# KiCad board Soldermander.kicad_pcb (continued)
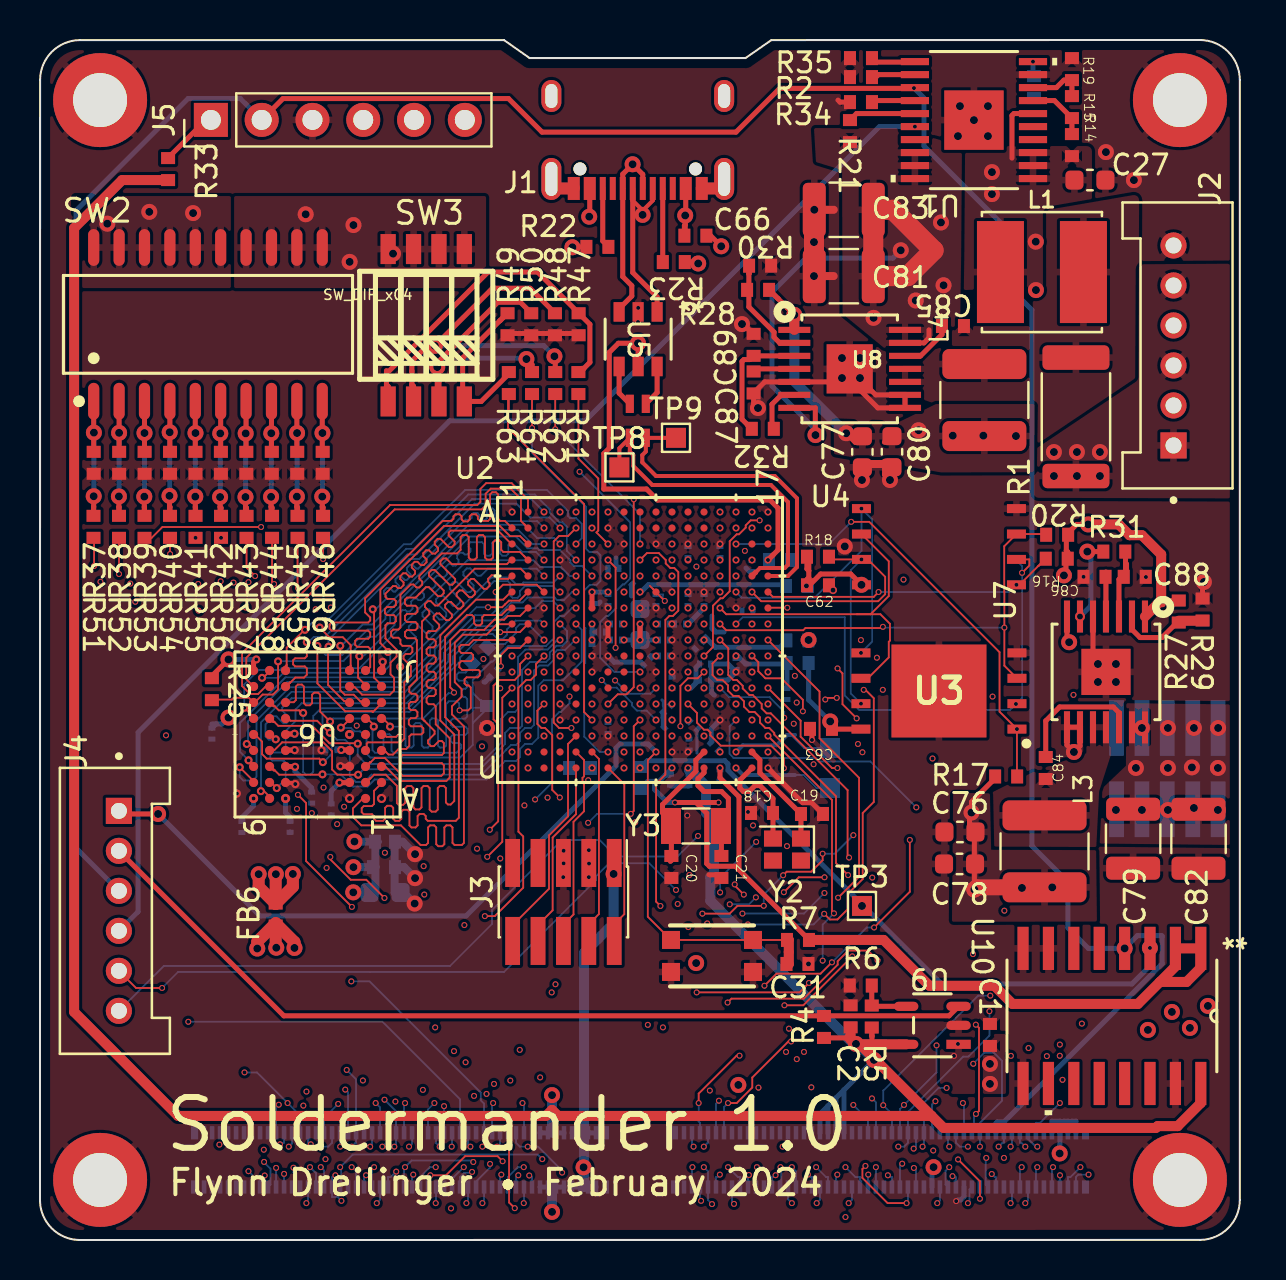
[diagram p0: board, top side]
## Routing (per net, layer and track width the routed paths; a pad name or vN(x,y) marks a point on that pad's centre or on a via; arc(x,y) is an arc through that point) (continued)
  In1.Cu w0.09: v1(27.6,35.6) 27.27,35.94 27.27,36.38 26.69,36.96 14.66,36.96 14.11,36.41 11.34,36.41 9.68,34.75 v1(9.68,32.88)
  In2.Cu w0.09: v1(9.68,32.88) 9.68,31.26 10,30.94 10,27.09 9.86,26.95 9.86,26.48 9.96,26.37 9.96,25.9 9.5,25.45 9.5,9.11 v1(10.23,8.38)
  Bottom w0.09: v1(10.23,8.38) 10.85,8.38 v1(12.38,6.85) 13.01,6.22 J7.76
GPIO_DISP_B2_13: length 51.7
  Top w0.09: v1(26.81,36.41) U2.A5
  In1.Cu w0.09: v1(10.43,32.9) 10.43,33.35 13.3,36.23 21.49,36.23 22.04,36.78 26.43,36.78 v1(26.81,36.41)
  In2.Cu w0.09: v1(10.43,32.9) 10.09,33.23 8.85,33.23 8.67,33.05 8.67,7.71 11.9,4.47 12.25,4.47 v1(12.44,4.67)
  Bottom w0.09: J7.78 12.61,4.83 v1(12.44,4.67)
GPIO_DISP_B2_14: length 42.8
  Top w0.09: v1(28.41,36.41) U2.A7
  In1.Cu w0.09: v1(28.41,36.41) 28.4,36.41 28.12,36.12 28.12,34.87 27.66,34.41 23.19,34.41 15.72,26.94 15,26.94 13.5,25.45 13.5,22.21 v1(12.85,21.56)
  In2.Cu w0.09: v1(12.85,21.56) 13.61,20.8 13.61,6.39 v1(12,4.79)
  Bottom w0.09: v1(12,4.79) 12.08,4.86 12.21,4.86 J7.80
GPIO_DISP_B2_15: length 45.1
  Top w0.09: v1(26.01,36.41) U2.A4
  In1.Cu w0.09: v1(26.01,36.41) 25.63,36.03 15.5,36.03 11.11,31.63 v1(10.29,31.63)
  In2.Cu w0.09: v1(10.29,31.63) 10.23,31.57 10.23,27.3 10.78,26.75 10.78,23.64 10.32,23.18 10.32,8.69 11.94,7.08 v1(11.94,6.77)
  Bottom w0.09: v1(11.94,6.77) 11.81,6.63 J7.82
GPIO_EMC_B1_40: length 32.1
  In1.Cu w0.09: v1(41.61,7.08) 37.65,11.04 37.47,11.04 32.89,15.62 32.89,15.84 32.33,16.4 31.86,16.4 31.6,16.67 31.6,17.01 27.87,20.74 27.87,21.06 25.64,23.29 25.64,27.68 25.2,28.12 25.09,28.12 24.92,28.29 24.92,28.41 24.52,28.81 24.01,28.81 v1(23.61,29.21)
  Bottom w0.09: J6.52 41.81,6.88 v1(41.61,7.08)
GPIO_EMC_B1_41: length 31.1
  In1.Cu w0.09: v1(23.61,28.41) 24.01,28.01 24.45,28.01 24.81,27.65 24.81,23.87 27.69,20.98 27.69,20.62 31.35,16.97 31.35,16.67 32.08,15.93 32.54,15.93 32.71,15.77 32.71,15.54 37.4,10.86 37.57,10.86 40.67,7.76 v1(40.67,6.75)
  Bottom w0.09: v1(40.67,6.75) 41.41,6.02 J6.54
GPIO_EMC_B2_00: length 30.9
  Top w0.09: v1(24.41,29.21) 24.01,28.81 24.01,28.27 23.74,28.01 22.97,28.01 22.68,27.72 22.68,26.04 22.91,25.81 22.91,20.94 v1(22.49,20.52)
  In1.Cu w0.09: v1(21.71,7.21) 21.82,7.09 21.82,4.56 21.22,3.95 21.09,3.95 19.79,2.65 v1(19.79,1.84)
  In2.Cu w0.09: v1(22.49,20.52) 22.49,19.79 21.77,19.07 21.77,7.27 v1(21.71,7.21)
  Bottom w0.09: v1(19.79,1.84) 19.81,1.86 J7.41
GPIO_EMC_B2_01: length 32.4
  Top w0.09: v1(23.13,3.94) 22.88,4.19 21.26,4.19 20.31,3.24 v1(19.52,3.24)
  In1.Cu w0.09: v1(23.13,3.94) 24.44,5.24 24.44,7.05 v1(23.52,7.97)
  In2.Cu w0.09: v1(24.76,22.03) 24.76,9.21 v1(23.52,7.97) ; v1(26.48,27.18) 26.48,28.73 v1(26.01,29.21)
  Bottom w0.09: v1(19.52,3.24) 19.43,3.15 19.41,3.15 J7.43 ; v1(26.48,27.18) 26.48,26.84 26.05,26.41 25.97,26.41 25.61,26.04 25.61,22.88 v1(24.76,22.03)
GPIO_EMC_B2_02: length 29.9
  Top w0.09: v1(22.25,16.2) 22.74,16.2 24.16,17.62 24.16,20.18 23.93,20.42 23.93,27.62 24.32,28.01 24.54,28.01 24.81,28.27 24.81,28.81 v1(25.21,29.21)
  In2.Cu w0.09: v1(19.79,3.64) 19.79,3.79 20.29,4.29 20.29,5.04 22.03,6.78 22.03,15.98 v1(22.25,16.2)
  Bottom w0.09: v1(19.79,3.64) 19.5,3.64 19.01,3.15 J7.45
GPIO_EMC_B2_03: length 24.7
  In2.Cu w0.09: v1(23.61,25.21) 20.42,22.02 20.42,9.33 20.51,9.23 20.51,6.27 18.67,4.42 v1(18.67,3.27)
  Bottom w0.09: v1(18.67,3.27) 18.61,3.21 J7.47
GPIO_EMC_B2_04: length 29.4
  Top w0.09: v1(22.37,19.16) 23.12,19.91 23.12,27.12 v1(23.61,27.61)
  In1.Cu w0.09: v1(22.33,7.31) 22.33,6.7 22.43,6.6 22.43,4.57 21.77,3.9 v1(21.67,3.9)
  In2.Cu w0.09: v1(22.33,7.31) 22.41,7.38 22.41,15.95 22.53,16.08 22.53,19 v1(22.37,19.16)
  Bottom w0.09: J7.49 18.21,3.59 v1(18.25,3.64) 18.59,3.98 21.59,3.98 v1(21.67,3.9)
GPIO_EMC_B2_05: length 29.2
  In2.Cu w0.09: v1(23.61,26.81) 24.01,26.4 24.01,26 24.29,25.72 24.4,25.72 24.75,25.37 24.75,24.34 24.42,24.01 24.33,24.01 23.94,23.62 23.94,23.48 20.9,20.44 20.9,12.57 20.99,12.48 20.99,7.49 20.74,7.24 20.74,6.16 19.2,4.63 19.2,3.36 18.8,2.96 18.27,2.96 v1(17.81,3.42)
  Bottom w0.09: v1(17.81,3.42) 17.54,3.15 17.41,3.15 J7.53
GPIO_EMC_B2_06: length 27.3
  In1.Cu w0.09: v1(23.02,19.08) 23.02,23.82 v1(23.61,24.41)
  In2.Cu w0.09: v1(16.84,1.84) 18.6,1.84 20.44,3.69 20.44,4.08 23.02,6.65 v1(23.02,19.08)
  Bottom w0.09: J7.55 17.01,2.01 v1(16.84,1.84)
GPIO_EMC_B2_07: length 30.2
  In2.Cu w0.09: v1(16.71,3.64) 16.81,3.75 16.81,4.95 18.56,6.7 18.56,16.24 18.2,16.6 18.2,17.05 18.51,17.36 18.8,17.36 19.47,18.03 19.47,23.88 22.7,27.11 23.24,27.11 23.41,27.27 24.87,27.27 v1(25.21,27.61)
  Bottom w0.09: J7.57 16.61,3.54 v1(16.71,3.64)
GPIO_EMC_B2_08: length 26.7
  In2.Cu w0.09: v1(23.61,26.01) 23.61,25.78 20.23,22.41 20.23,7.82 17.42,5.01 17.42,3.94 16.72,3.24 v1(16.31,3.24)
  Bottom w0.09: J7.59 16.21,3.15 16.22,3.15 v1(16.31,3.24)
GPIO_EMC_B2_09: length 37.1
  In1.Cu w0.09: v1(15.21,21.67) 13.43,21.67 13.26,21.49 13.26,21.22 14,20.48 18.69,20.48 23.09,24.87 23.75,24.87 24.07,25.19 24.07,26.47 v1(24.41,26.81)
  In2.Cu w0.09: v1(15.21,21.67) 16.29,20.58 16.29,8.24 16.44,8.1 16.44,7.86 16.29,7.71 16.29,4.92 15.59,4.22 v1(15.59,3.64)
  Bottom w0.09: v1(15.59,3.64) 15.81,3.42 J7.61
GPIO_EMC_B2_10: length 34.4
  In1.Cu w0.09: v1(24.41,25.21) 24.07,24.87 24.07,21.89 v1(24.22,21.73) ; v1(23.99,9.51) 24.11,9.51 26.17,7.45 26.17,5.1 v1(25.12,4.05)
  In2.Cu w0.09: v1(24.22,21.73) 24.22,9.74 v1(23.99,9.51)
  Bottom w0.09: J7.65 15.06,2.7 15.06,3.59 v1(15.01,3.64) 15.64,4.27 24.89,4.27 v1(25.12,4.05)
GPIO_EMC_B2_11: length 38.7
  In1.Cu w0.09: v1(21.28,8.89) 22.02,8.89 23.16,7.75 23.16,4.48 23.05,4.38 22.66,4.38 22.11,3.82 22.11,3.35 20.63,1.87 20.35,1.87 20,1.52 15.51,1.52 v1(15.07,1.96)
  In2.Cu w0.09: v1(21.28,8.89) 21.57,9.17 21.57,20.26 22.3,20.99 22.54,20.99 25.54,23.99 25.54,27.94 v1(26.01,28.41)
  Bottom w0.09: v1(14.77,3.24) 14.69,3.15 14.61,3.15 J7.67 14.61,2.15 14.88,2.15 v1(15.07,1.96)
GPIO_EMC_B2_12: length 31.8
  In1.Cu w0.09: v1(14.86,20.8) 18.63,20.8 23.28,25.45 23.28,26.16 23.41,26.29 23.54,26.29 23.98,26.73 23.98,27.18 v1(24.41,27.61)
  In2.Cu w0.09: v1(14.04,3.64) 14.31,3.64 14.62,3.96 14.62,18.85 14.86,19.09 v1(14.86,20.8)
  Bottom w0.09: v1(14.04,3.64) 14.21,3.48 J7.69
GPIO_EMC_B2_13: length 36
  In1.Cu w0.09: v1(13.59,21.35) 15.3,21.35 15.49,21.55 15.49,21.61 23.38,29.5 26.51,29.5 v1(26.81,29.21)
  In2.Cu w0.09: v1(13.59,21.35) 13.79,21.15 13.79,5.63 13.24,5.08 13.24,3.91 v1(13.5,3.64)
  Bottom w0.09: J7.71 13.81,3.34 v1(13.5,3.64)
GPIO_EMC_B2_14: length 62.5
  In1.Cu w0.09: v1(13.32,1.84) 11.62,1.84 10.11,3.36 10.11,7.3 13.27,10.47 13.27,15.2 6.02,22.46 6.02,25.36 6.18,25.53 6.42,25.53 8.85,23.1 8.85,22.84 10.72,20.96 11.01,20.96 13.46,18.51 13.46,18.36 15.57,16.24 18.94,16.24 21.86,19.16 v1(21.86,19.57)
  In2.Cu w0.09: v1(21.86,19.57) 21.86,20.29 22.37,20.8 22.61,20.8 25.72,23.91 25.72,27.32 v1(26.01,27.61)
  Bottom w0.09: v1(13.32,1.84) 13.41,1.93 J7.73
GPIO_EMC_B2_15: length 37
  In1.Cu w0.09: v1(19.19,18.7) 17.5,18.7 17.01,19.18 14.95,19.18 14.37,18.61 v1(14.33,18.61) ; v1(12.68,3.62) 13.01,3.62 13.28,3.35 14.15,3.35 14.37,3.57 14.37,3.94 v1(14.28,4.04)
  In2.Cu w0.09: v1(19.19,18.7) 18.56,18.7 18.21,19.04 18.21,22.92 22.59,27.3 23.18,27.3 23.32,27.44 23.32,27.72 23.49,27.89 23.89,27.89 v1(24.41,28.41) ; v1(14.33,18.61) 14.43,18.51 14.43,4.2 v1(14.28,4.04)
  Bottom w0.09: J7.77 12.72,2.76 12.72,3.34 12.68,3.38 v1(12.68,3.62)
GPIO_EMC_B2_16: length 38.1
  In1.Cu w0.09: v1(12.21,3.31) 12.56,2.95 19.65,2.95 21.13,4.43 21.13,6.43 20.69,6.88 20.69,8.74 21,9.05 21,9.66 20.02,10.63 v1(19.76,10.63)
  In2.Cu w0.09: v1(24.41,26.01) 24.7,26.3 24.7,26.91 24.52,27.09 23.49,27.09 23.08,26.69 22.59,26.69 19.76,23.86 v1(19.76,10.63)
  Bottom w0.09: v1(12.21,3.31) J7.79
GPIO_EMC_B2_18: length 42.6
  Top w0.09: v1(25.21,26.81) 24.87,26.47 24.87,25.81 25.07,25.61 25.26,25.61 25.62,25.25 25.62,22.51 v1(25.99,22.13)
  In1.Cu w0.09: v1(11.21,3.91) 11.21,3.79 12.86,2.14 14.49,2.14 15.38,1.25 22.9,1.25 26.35,4.7 26.35,11.62 v1(25.59,12.38)
  In2.Cu w0.09: v1(25.59,12.38) 25.49,12.48 25.49,21.63 v1(25.99,22.13)
  Bottom w0.09: v1(11.21,3.91) 11.21,3.89 11.53,3.57 11.53,2.77 J7.83
GPIO_LPSR_00: length 41.6
  In1.Cu w0.09: v1(27.61,26.81) 27.89,26.52 29.63,26.52 29.81,26.34 30.2,26.34 30.38,26.52 33.13,26.52 33.53,26.12 33.53,26.04 33.93,25.63 37.32,25.63 42.05,20.9 44.39,20.9 50.94,14.35 50.94,10.45 52.44,8.95 v1(52.44,3.27)
  Bottom w0.09: v1(52.44,3.27) 51.92,3.27 51.81,3.15 J6.1
GPIO_LPSR_01: length 37.1
  In1.Cu w0.09: v1(52.03,3.64) 52.03,6.49 42.35,16.17 40.88,16.17 40.38,16.67 40.38,17.4 39.35,18.43 39.32,18.43 34.34,23.41 34.34,23.82 34.22,23.94 33.81,23.94 33.75,24.01 31.54,24.01 31.27,24.27 31.27,24.42 30.79,24.9 27.91,24.9 v1(27.61,25.21)
  Bottom w0.09: v1(52.03,3.64) 51.54,3.15 51.41,3.15 J6.3
GPIO_LPSR_02: length 55.2
  Top w0.09: 27.41,26.21 27.21,26.41 27.21,36.81 23.41,40.61 23.41,41.43 ; 27.41,26.21 v1(27.61,26.01) 27.41,26.21 ; R63.2 23.45,41.47 23.41,41.43 ; v1(35.2,17.27) 34.74,17.73 v1(34.74,17.78) ; 23.41,41.43 23.41,42.26
  In1.Cu w0.09: v1(35.2,17.27) 35.2,17.16 35.2,17.16 36.04,16.32 36.04,14.52 39.87,10.7 41.68,10.7 46.68,5.7 47.35,5.7 48.24,4.81 48.24,4.14 v1(48.21,4.11) ; v1(34.74,17.78) 34.51,17.78 27.27,25.02 27.27,25.67 v1(27.61,26.01)
  In2.Cu w0.09: v1(48.21,4.11) 48.22,4.11 49.09,3.24 v1(51.01,3.24)
  Bottom w0.09: J6.5 51.01,3.24 v1(51.01,3.24)
GPIO_LPSR_03: length 56.8
  Top w0.09: v1(24.61,40.61) R64.2
  In1.Cu w0.09: v1(50.66,3.64) 51.09,3.64 51.54,4.1 51.54,6.72 46.96,11.3 45.49,11.3 40.2,16.6 40.2,17.24 39.63,17.81 36.99,17.81 31.09,23.71 31.09,23.8 30.84,24.04 30.76,24.04 30.52,24.29 30.52,24.41 30.23,24.69 28.69,24.69 v1(28.41,24.41)
  Bottom w0.09: v1(24.61,40.61) 24.61,39.37 27.31,36.67 27.31,34.58 27.48,34.41 27.87,34.41 28.03,34.25 28.03,32.96 27.84,32.77 27.5,32.77 27.22,32.49 27.22,30.65 27.27,30.6 27.27,28.86 27.22,28.8 27.22,25.18 27.99,24.41 v1(28.41,24.41) ; v1(50.66,3.64) 50.61,3.59 J6.7
GPIO_LPSR_04: length 61.3
  Top w0.09: v1(29.69,37.04) 29.69,37.04 29.69,27.64 29.34,27.29 28.89,27.29 v1(28.41,26.81)
  In1.Cu w0.09: v1(49.43,9.6) 49.55,9.6 v1(51.13,8.01)
  In2.Cu w0.09: v1(29.69,37.04) 36.18,37.04 39.52,33.7 42.97,33.7 50.09,26.58 50.09,10.25 v1(49.43,9.6) ; v1(49.87,3.64) 50.16,3.93 50.16,7.04 v1(51.13,8.01)
  Bottom w0.09: v1(49.87,3.64) 49.81,3.58 J6.11
GPIO_LPSR_05: length 46.6
  In1.Cu w0.09: v1(51,9.77) 46.66,14.12 v1(46.66,14.3) ; v1(41.13,24.39) 41.11,24.38 39.98,24.38 38.2,26.15 38.03,26.15 37.32,26.87 37.32,27.09 36.18,27.09 36.06,26.97 36.06,26.85 35.72,26.52 34.69,26.52 34.52,26.69 34.52,26.81 34.23,27.09 30.58,27.09 30.46,26.97 30.46,26.85 30.12,26.52 29.89,26.52 29.6,26.81 v1(29.21,26.81)
  In2.Cu w0.09: v1(51,9.77) 51.71,9.06 51.71,3.2 49.8,1.29 48.68,1.29 48.22,1.75 48.22,2.02 48.36,2.15 48.96,2.15 v1(49.27,1.84) ; v1(41.13,24.39) 41.13,19.83 v1(46.66,14.3)
  Bottom w0.09: v1(49.27,1.84) 49.41,1.98 J6.13
GPIO_LPSR_06: length 35.6
  In1.Cu w0.09: v1(29.21,26.01) 29.67,25.54 30.95,25.54 31.21,25.29 31.21,25.16 31.49,24.87 33.13,24.87 33.89,24.12 34.29,24.12 34.52,23.89 34.52,23.49 39.4,18.61 39.42,18.61 40.63,17.41 41.78,17.41 47.34,11.85 47.76,11.85 50.35,9.25 v1(50.35,9.2)
  In2.Cu w0.09: v1(50.35,9.2) 49.57,8.42 49.57,4.13 v1(49.09,3.64)
  Bottom w0.09: J6.15 49.01,3.56 v1(49.09,3.64)
GPIO_LPSR_07: length 42
  In1.Cu w0.09: v1(29.21,25.21) 28.86,25.55 28.86,26.07 29.12,26.33 29.41,26.33 29.72,26.01 29.72,25.89 29.89,25.72 30.12,25.72 30.45,26.04 30.45,26.11 30.66,26.33 32.54,26.33 32.87,26 32.87,25.91 33.11,25.67 33.2,25.67 33.67,25.2 33.67,25.11 33.91,24.87 34.01,24.87 34.41,24.48 34.41,24.36 34.76,24.01 35.06,24.01 41.29,17.77 42.4,17.77 50.96,9.21 v1(51,9.21)
  In2.Cu w0.09: v1(51,9.21) 51.53,8.68 51.53,3.28 49.76,1.51 48.87,1.51 v1(48.54,1.84)
  Bottom w0.09: v1(48.54,1.84) 48.61,1.91 J6.17
GPIO_LPSR_08: length 30.5
  In1.Cu w0.09: v1(29.21,23.61) 29.21,23.34 34.48,18.07 34.86,18.07 35.03,17.9 35.03,17.51 34.91,17.39 34.91,17.15 35.08,16.98 35.13,16.98 35.86,16.25 35.86,14.45 39.79,10.52 41.6,10.52 47.92,4.2 47.92,3.48 47.74,3.3 v1(47.6,3.3)
  Bottom w0.09: J6.21 47.81,3.15 47.75,3.15 v1(47.6,3.3)
GPIO_LPSR_09: length 33
  In1.Cu w0.09: v1(26.81,26.01) 26.86,25.95 26.86,24.95 35.19,16.61 35.24,16.61 35.68,16.17 35.68,14.33 39.67,10.34 41.13,10.34 42.29,9.18 42.29,8.97 44.79,6.47 45.02,6.47 46.7,4.78 46.7,4.57 47.16,4.11 v1(47.32,4.11)
  Bottom w0.09: J6.23 47.29,2.76 47.29,4.08 v1(47.32,4.11)
GPIO_SD_B1_00: length 38.2
  Top w0.09: v1(35.61,35.61) U2.B16
  In2.Cu w0.09: v1(35.61,35.61) 35.71,35.51 35.71,35.11 36.69,34.12 36.69,33.42 40.55,29.56 40.55,20.53 40.39,20.37 40.39,20.13 46.41,14.11 46.41,10.24 46.43,10.24 46.74,9.93 46.74,8.88 v1(46.67,8.81)
  Bottom w0.09: v1(46.67,8.81) 47.22,9.36 47.71,9.36 48.11,8.96 48.11,6.96 47.01,5.86 J6.26 47.01,4.67 v1(47,4.67)
GPIO_SD_B1_01: length 35.3
  Top w0.09: v1(46.8,10.77) 46.96,10.61 46.96,6.46 v1(46.81,6.31) ; v1(34.81,34.01) U2.D15
  In1.Cu w0.09: v1(34.81,34.01) 35.32,33.49 36.68,33.49 40.17,30 v1(41.05,30)
  In2.Cu w0.09: v1(46.8,10.77) 46.94,10.91 46.94,14.82 41.48,20.29 41.48,29.58 v1(41.05,30)
  Bottom w0.09: v1(46.81,6.31) 46.71,6.21 46.71,5.46 J6.28
GPIO_SD_B1_03: length 35.7
  Top w0.09: v1(36.41,35.61) U2.B17
  In2.Cu w0.09: v1(36.41,35.61) 36.41,35.11 43.21,28.3 43.21,19.89 47.86,15.24 47.86,10.82 46.96,9.92 46.96,7.65 v1(46.15,6.85)
  Bottom w0.09: J6.30 46.21,6.8 v1(46.15,6.85)
GPIO_SD_B1_04: length 37.5
  Top w0.09: v1(34.81,35.61) U2.B15
  In2.Cu w0.09: v1(46.4,4.67) 45.83,5.24 45.83,7.53 46.39,8.09 46.39,10.01 46.23,10.17 46.23,14.03 40.2,20.05 40.2,20.44 40.37,20.6 40.37,29.49 36.12,33.74 36.12,34.29 v1(34.81,35.61)
  Bottom w0.09: J6.32 45.81,4.86 46,4.67 v1(46.4,4.67)
GPIO_SD_B1_05: length 38
  Top w0.09: v1(35.61,36.41) U2.A16
  In2.Cu w0.09: v1(35.61,36.41) 35.32,36.12 34.89,36.12 34.47,35.7 34.47,35.52 34.89,35.09 35.03,35.09 35.89,34.23 35.89,33.7 40.17,29.42 40.17,20.67 40.02,20.52 40.02,17.41 40.2,17.24 40.2,14.86 40.59,14.47 40.74,14.47 40.9,14.3 40.9,13.01 45.05,8.86 45.05,7.36 45.11,7.31 45.11,5.03 v1(45.47,4.67)
  Bottom w0.09: v1(45.47,4.67) 45.41,4.73 J6.34
GPIO_SNVS_00: length 25.4
  In2.Cu w0.09: v1(24.47,3.23) 24.83,3.59 24.83,4.17 30.68,10.03 30.68,10.88 30.49,11.07 30.49,24.89 v1(30.81,25.21)
  Bottom w0.09: J7.17 24.61,3.15 24.54,3.15 v1(24.47,3.23)
GPIO_SNVS_01: length 32.8
  In1.Cu w0.09: v1(24.19,1.84) 24.19,1.86 26.54,4.21 26.54,12.03 v1(25.78,12.79)
  In2.Cu w0.09: v1(25.78,12.79) 26.76,13.78 26.76,25.33 27.32,25.88 27.32,27.23 v1(28.09,28)
  Bottom w0.09: v1(28.09,28) 28.47,27.62 28.84,27.62 29.61,26.86 29.61,26.73 29.86,26.47 30.34,26.47 v1(30.81,26.01) ; v1(24.19,1.84) 24.21,1.86 J7.19
GPIO_SNVS_02: length 90.8
  In1.Cu w0.09: v1(3.02,32.92) 3.32,33.21 3.32,37.39 4.35,38.42 v1(26.98,38.42) ; v1(20.56,1.58) 20.58,1.56 22.32,1.56 23.92,3.16 v1(23.92,3.24)
  In2.Cu w0.09: v1(20.56,1.58) 20.34,1.37 11.93,1.37 3.02,10.28 v1(3.02,32.92)
  Bottom w0.09: v1(23.92,3.24) 23.83,3.15 23.81,3.15 J7.21 ; v1(30.01,28.41) 28.73,28.41 28.02,29.11 28.02,30.91 28.33,31.22 28.43,31.22 28.82,31.61 28.82,32.47 29.14,32.78 29.21,32.78 29.51,33.08 29.51,35.89 v1(26.98,38.42)
GPIO_SNVS_03: length 32.3
  In1.Cu w0.09: v1(29.77,20.89) 29.52,20.89 v1(27.41,22.99)
  In2.Cu w0.09: v1(28.76,27.98) 28.08,27.3 28.08,23.66 27.41,23 v1(27.41,22.99) ; v1(29.77,20.89) 29.77,9.5 24.19,3.92 v1(24.19,3.64)
  Bottom w0.09: v1(28.76,27.98) 29.42,27.32 30.52,27.32 v1(30.81,27.61) ; v1(24.19,3.64) 23.9,3.64 23.41,3.15 J7.23
GPIO_SNVS_04: length 28.2
  In2.Cu w0.09: v1(30.81,26.81) 30.48,26.48 30,26.48 29.71,26.18 29.71,22.36 29.26,21.91 29.26,21 29.51,20.75 29.51,9.81 24.65,4.95 24.27,4.95 24.11,4.79 24.11,4.11 23.27,3.27 v1(23.07,3.27)
  Bottom w0.09: J7.25 23.01,3.21 v1(23.07,3.27)
GPIO_SNVS_05: length 29.5
  Top w0.09: v1(30.01,26.01) 29.69,25.69 29.69,21.46 v1(29.54,21.31)
  In1.Cu w0.09: v1(25.01,8.13) 25.01,4.87 23.48,3.33 23.48,3.2 v1(22.12,1.84)
  In2.Cu w0.09: v1(25.01,8.13) 27.74,10.86 27.74,20.53 v1(27.41,20.86)
  Bottom w0.09: v1(22.12,1.84) 22.21,1.93 J7.29 ; v1(27.41,20.86) 27.86,21.31 v1(29.54,21.31)
GPIO_SNVS_06: length 28.5
  In2.Cu w0.09: v1(22.51,3.81) 22.59,3.81 23.16,4.38 23.16,5.43 24.89,7.16 24.89,7.33 28.14,10.57 28.14,21.9 28.92,22.68 28.92,26.14 29.27,26.49 29.39,26.49 29.61,26.71 29.61,27.21 v1(30.01,27.61)
  Bottom w0.09: v1(22.51,3.81) 22.51,3.62 21.81,2.92 J7.31
GPIO_SNVS_07: length 30.6
  In1.Cu w0.09: v1(31.15,10.63) 30.52,10.63 v1(30.4,10.76)
  In2.Cu w0.09: v1(21.32,1.84) 21.84,2.37 24.31,2.37 31.15,9.21 v1(31.15,10.63) ; v1(30.4,10.76) 30.3,10.85 30.3,24.91 v1(30.01,25.21)
  Bottom w0.09: v1(21.32,1.84) 21.41,1.93 J7.33
GPIO_SNVS_08: length 29.3
  In2.Cu w0.09: v1(30.01,26.81) 29.49,26.29 29.49,22.4 29.01,21.91 29.01,18.91 29.22,18.69 29.22,9.82 24.53,5.13 24.13,5.13 23.74,4.74 23.74,4.14 23.2,3.61 22.71,3.61 22.51,3.41 v1(21.61,3.41)
  Bottom w0.09: J7.35 21.01,3.15 21.21,3.36 21.56,3.36 v1(21.61,3.41)
GPIO_SNVS_09: length 30.8
  In2.Cu w0.09: v1(21.19,3.64) 21.19,3.12 21.61,2.71 24.37,2.71 30.87,9.2 30.87,10.95 30.74,11.08 30.74,18.14 31.24,18.64 31.24,24.84 v1(31.61,25.21)
  Bottom w0.09: v1(21.19,3.64) 20.7,3.15 20.61,3.15 J7.37
JTAG_MOD: length 0
  Bottom w0.25: v1(27.61,23.61) R10.2
JTAG_TDI: length 9.4
  Top w0.09: J3.8 24.91,15.76 25.64,16.49 25.64,20.13 26.81,21.3 U2.U5
JTAG_TDO: length 10.1
  Top w0.09: J3.6 26.18,15.78 26.68,16.28 26.68,20.92 27.21,21.44 27.21,22.8 27.13,22.88 27.13,23.11 27.21,23.19 27.21,24.01 U2.T5
LPUART1_RX_BOOT: length 60.7
  In2.Cu w0.09: v1(34.41,3.64) 33.65,4.4 33.65,7.22 33.78,7.36 33.78,15.58 33.65,15.72 33.65,15.95 33.61,16 33.61,19.07 32.91,19.77 32.91,20.63 33.49,21.21 33.49,26.74 33.89,27.14 34.34,27.14 v1(34.81,27.61)
  Bottom w0.09: J4.6 6.19,13.71 20.51,13.71 22.61,15.81 22.61,16.51 26.11,20.01 27.98,20.01 28.8,19.18 31.88,19.18 v1(32.91,20.21) ; v1(34.41,3.64) 34.9,3.15 35.01,3.15 J6.85
LPUART1_TX_BOOT: length 43.3
  Top w0.09: v1(33.21,28.41) 32.89,28.09 32.41,28.09 32.03,27.71 v1(32.03,25.7) ; J4.5 4.8,12.61 v1(6.11,12.61)
  In2.Cu w0.09: v1(31.81,17.51) 31.81,21.32 32.12,21.64 32.12,25.6 v1(32.03,25.7)
  Bottom w0.09: v1(31.81,17.51) 30.47,18.84 28.46,18.84 27.81,18.18 27.81,18.01 23.21,13.41 6.91,13.41 v1(6.11,12.61)
ONOFF: length 29.6
  In1.Cu w0.09: v1(30.81,23.61) 36.54,17.87 36.54,17.62 37.06,17.11 37.31,17.11 40.25,14.16 40.25,13.81 47.12,6.95 47.17,6.95 47.27,6.85 v1(51,6.85)
  Bottom w0.09: J6.12 49.81,5.86 50.01,5.86 v1(51,6.85)
OTG1_D_N: length 17.4
  Top w0.2: TP8.1 28.98,39.6 L2.2 29.5,39.77 29.5,39.43 29.67,39.26 29.67,38.7 30.62,37.76 36.56,37.76 37.41,36.91 37.41,33.77 37.24,33.61 36.01,33.61 U2.E16
  Top w0.25: 35.79,33.39 U2.E16 ; 29.5,39.77 L2.2
OTG1_D_P: length 16.4
  Top w0.2: U2.E17 37.41,33.21 37.86,33.66 37.86,37.09 36.74,38.21 30.81,38.21 30.12,38.89 30.12,39.26 30.3,39.43 L2.3 TP9.1
P_GOOD: length 61.7
  Bottom w0.25: v1(43.75,55.68) 41.98,55.68 27.27,40.97 20.49,40.97 4.91,25.39 4.91,16.42 J4.4
PMIC_ON_REQ: length 45.7
  Top w0.09: v6(55.51,14.61) 55.51,14.6 U10.3
  In2.Cu w0.09: v6(55.51,14.61) 55.36,14.61 49.34,8.59 49.34,5.47 v1(48.54,4.67)
  Bottom w0.09: R8.1 30.14,23.79 30.19,23.79 ; J6.18 48.61,4.74 v1(48.54,4.67)
  Bottom w0.25: v1(30.01,23.61) 30.37,23.97 34.25,23.97 34.41,23.81 34.41,23.49 41.11,16.79 v2(41.11,16.71) 41.19,16.71 45.09,12.81 54.61,12.81 55.51,13.71 v6(55.51,14.61)
PMIC_STBY_REQ: length 29.6
  In1.Cu w0.09: v1(49.87,4.67) 48.34,6.2 47.66,6.2 47.09,6.77 47.04,6.77 40.07,13.74 40.07,14.08 37.23,16.92 36.99,16.92 36.36,17.55 36.36,17.79 30.94,23.21 30.72,23.21 30.41,23.53 30.41,24.01 v1(30.01,24.41)
  Bottom w0.09: J6.14 49.41,5.06 49.8,4.67 v1(49.87,4.67)
POR_B: length 51.1
  Top w0.09: R7.1 SW1.A SW1.A' 30.4,16.17 30.4,24 v1(30.81,24.41)
  Top w0.25: C31.1 37.33,14.41 37.44,14.41 37.45,14.41 ; J4.1 4.1,21.31 v2(5.91,21.31)
  Top w0.5: R7.1 37.45,15.01 37.45,13.81 37.45,13.81
  Bottom w0.25: v1(30.81,24.41) 30.41,24.81 29.01,24.81 28.81,24.6 28.81,23.71 21.31,16.21 11.01,16.21 v2(5.91,21.31)
SEMC_A0: length 19.4
  Top w0.09: 12.34,27.69 12.52,27.88 ; 12.52,27.88 12.48,27.88 U6.H7 ; 12.52,27.88 12.77,28.13 13.2,28.13 13.34,28.27 13.34,28.58 13.24,28.68 12.76,28.68 12.66,28.79 12.66,28.99 12.76,29.09 13.24,29.09 13.34,29.19 v5(13.34,29.9) ; 25.21,36.41 U2.A3 v1(25.21,36.41)
  Bottom w0.09: v1(25.21,36.41) 24.57,37.05 21.6,37.05 18.83,34.29 18.37,34.29 14.24,30.16 13.69,30.16 13.43,29.9 v5(13.34,29.9)
SEMC_A1: length 22.9
  Top w0.09: 11.54,27.69 11.52,27.67 11.47,27.67 ; 11.47,27.67 11.28,27.67 10.91,27.31 10.51,27.31 10.11,27.71 10.11,29.35 17.51,36.76 ; 11.47,27.67 U6.H8 ; 24.41,36.72 U2.A2 ; 24.41,36.72 24.41,36.41 ; 24.41,36.72 24.41,37.03 23.59,37.85 22.31,37.85 22.02,37.56 22.02,36.91 21.87,36.76 17.51,36.76 ; 17.51,36.76 17.5,36.76
SEMC_A2: length 20.7
  Top w0.09: v5(11.1,28.11) 11.16,28.11 11.54,28.49 11.52,28.48 U6.J8 ; U2.C2 24.21,35 24.21,35 ; 24.21,35 24.41,34.81 ; 24.21,35 24.01,35.2 23.51,35.2 23,35.71 20.2,35.71 17.02,32.53 17.02,29.85 17.4,29.47 v5(17.4,29.41)
  Bottom w0.09: v5(11.1,28.11) 11.93,28.11 12.18,28.37 17.13,28.37 17.52,28.76 17.52,29.29 v5(17.4,29.41)
SEMC_A3: length 21.6
  Top w0.09: U6.J7 12.28,28.7 12.34,28.76 ; v5(13.25,30.51) 13.23,30.51 12.34,29.62 12.34,28.76 ; 12.34,28.76 12.34,28.49 ; v1(26.81,34.81) U2.C5
  Bottom w0.09: v1(26.81,34.81) 27.09,35.09 27.09,35.82 26.81,36.11 26.51,36.11 26.41,36.21 26.41,36.46 25.35,37.51 21.26,37.51 18.55,34.79 18.19,34.79 14.49,31.1 13.83,31.1 v5(13.25,30.51) ; v1(26.81,34.81) 26.71,34.81 ; v1(26.81,34.81) 26.81,34.85
SEMC_A4: length 21.2
  Top w0.09: U6.J3 15.48,28.67 15.54,28.72 ; 15.54,28.72 15.54,28.49 ; 15.54,28.72 15.54,29.67 15.53,29.67 15.53,29.75 15.14,30.15 14.47,30.15 v5(13.99,30.63) ; v1(26.81,34.01) U2.D5
  Bottom w0.09: v1(26.81,34.01) 26.35,34.46 26.35,35.67 26.12,35.89 25.98,35.89 25.49,36.38 25.49,36.53 24.74,37.28 21.42,37.28 18.7,34.56 18.32,34.56 14.38,30.63 v5(13.99,30.63)
SEMC_A5: length 21.7
  Top w0.09: 23.6,35.61 23.55,35.61 ; 23.6,35.61 23.61,35.61 23.25,35.96 23.02,35.96 22.91,36.06 22.91,37.28 22.8,37.4 22.62,37.4 22.51,37.29 22.51,36.06 22.41,35.96 22,35.96 21.9,36.06 21.9,36.19 21.79,36.29 21.59,36.29 21.49,36.19 21.49,36.04 21.39,35.94 21.18,35.94 21.08,36.04 21.08,36.19 20.98,36.29 20.78,36.29 20.68,36.19 20.68,36.06 20.58,35.96 20.13,35.96 16.26,32.09 16.26,31.38 16.51,31.13 16.51,30.98 16.41,30.88 14.58,30.88 14.48,30.78 14.48,30.58 14.58,30.48 16.41,30.48 16.51,30.37 16.51,30.17 16.41,30.07 15.86,30.07 15.76,29.97 15.76,29.76 15.86,29.66 16.41,29.66 16.51,29.56 16.51,28.65 16.43,28.56 ; 23.6,35.61 U2.B1 ; U6.J2 16.36,28.56 16.43,28.56 ; 16.43,28.56 16.35,28.48
SEMC_A6: length 21
  Top w0.09: 23.6,34.81 23.58,34.81 22.9,35.48 20.54,35.48 20.44,35.38 20.44,35.23 20.73,34.94 20.73,34.79 20.59,34.65 20.45,34.65 20.03,35.07 19.88,35.07 19.74,34.92 19.74,34.78 19.91,34.61 19.91,34.47 19.76,34.33 19.62,34.33 19.45,34.49 19.31,34.49 19.17,34.35 19.17,34.2 19.33,34.04 19.33,33.9 19.19,33.75 19.04,33.75 18.88,33.92 18.74,33.92 18.59,33.77 18.59,33.63 18.76,33.46 18.76,33.32 18.61,33.18 18.47,33.18 18.3,33.34 18.16,33.34 18.02,33.2 18.02,33.05 18.18,32.89 18.18,32.75 18.04,32.6 17.89,32.6 17.8,32.7 17.65,32.7 17.28,32.32 17.28,32.16 17.38,32.06 17.69,32.06 17.8,31.96 17.8,31.76 17.69,31.66 17.35,31.66 17.25,31.55 17.25,31.35 17.35,31.25 17.69,31.25 17.8,31.15 17.8,30.94 17.69,30.84 17.38,30.84 17.28,30.74 17.28,30.08 17.83,29.52 17.83,29.18 17.53,28.88 17.53,28.29 17.71,28.11 17.71,27.48 17.5,27.27 16.11,27.27 15.74,27.64 15.59,27.64 15.56,27.67 ; 23.6,34.81 U2.C1 ; 23.6,34.81 23.61,34.81 ; 15.54,27.69 15.56,27.67 ; 15.56,27.67 15.49,27.67 U6.H3
SEMC_A7: length 18.5
  Top w0.09: 16.28,27.75 U6.H2 ; 16.28,27.75 15.91,28.12 15.91,29.13 v5(15.97,29.2) ; 16.28,27.75 16.34,27.69 ; v1(25.21,34.01) U2.D3
  Bottom w0.09: v1(25.21,34.01) 24.8,34.41 24.11,34.41 23.67,34.85 23.52,34.85 23.42,34.75 23.42,34.32 23.32,34.22 23.12,34.22 23.02,34.32 23.02,34.85 22.91,34.95 22.71,34.95 22.61,34.85 22.61,34.32 22.51,34.22 22.3,34.22 22.2,34.32 22.2,34.79 22.1,34.89 21.53,34.89 21.44,34.8 21.44,34.66 21.52,34.57 21.52,34.43 21.38,34.28 21.24,34.28 21.15,34.37 21,34.37 20.86,34.23 20.86,34.08 20.93,34.01 20.93,33.87 20.79,33.73 20.64,33.73 20.57,33.8 20.43,33.8 20.29,33.65 20.29,33.51 20.36,33.44 20.36,33.3 20.21,33.15 20.07,33.15 20,33.22 19.85,33.22 19.71,33.08 19.71,32.94 19.78,32.86 19.78,32.72 19.64,32.58 19.49,32.58 19.42,32.65 19.28,32.65 19.14,32.5 19.14,32.36 19.21,32.29 19.21,32.15 19.06,32 18.92,32 18.85,32.07 18.71,32.07 18.56,31.93 18.56,31.79 18.63,31.72 18.63,31.57 18.49,31.43 18.34,31.43 18.27,31.5 18.13,31.5 17.81,31.17 17.74,31.1 17.74,30.76 16.22,29.25 16.02,29.25 v5(15.97,29.2)
SEMC_A8: length 18.2
  Top w0.09: 17.14,27.69 17.08,27.75 ; 17.08,27.75 U6.H1 ; 17.08,27.75 16.71,28.12 16.71,31.48 v5(16.64,31.54) ; v1(25.21,35.61) U2.B3
  Bottom w0.09: 22.73,36.3 22.73,36.49 22.63,36.58 22.44,36.58 22.35,36.49 22.35,36.09 22.25,36 22.06,36 21.97,36.09 21.97,36.26 21.87,36.36 21.68,36.36 21.59,36.26 21.59,36.12 21.49,36.02 21.27,36.02 19.11,33.86 19.11,33.77 18.91,33.57 18.82,33.57 18.64,33.76 18.5,33.76 18.35,33.61 18.35,33.47 18.54,33.29 18.54,33.2 18.34,33 18.25,33 18.06,33.18 17.92,33.18 17.78,33.04 17.78,32.9 17.96,32.71 17.96,32.62 17.76,32.42 17.67,32.42 17.49,32.61 17.35,32.61 17.2,32.46 17.2,32.32 17.32,32.21 17.32,32.06 16.79,31.54 v5(16.64,31.54) ; 22.73,36.3 22.73,36.12 ; 22.73,36.3 22.73,36.12 ; 22.73,36.12 22.9,35.95 24.86,35.95 v1(25.21,35.61)
